# Altium PCB PROC054D_MMWCAS_RF_EVM_ASCII.PcbDoc (part 5 of 13)
Units mil, origin at the board's own origin, x right, y up, seen from the top; angles counter-clockwise.
Board outline 6299.21 x 5370.07 mil, 8 copper layers (L1 TOP, L2 GND, L3 SIGNAL 1, L4 GND, L5 SIGNAL 2, L6 SIGNAL 3, L7 GND, L8 BOTTOM), stack 53.5 mil thick; 775 components, 552 nets, 2648 pads, 7845 vias.
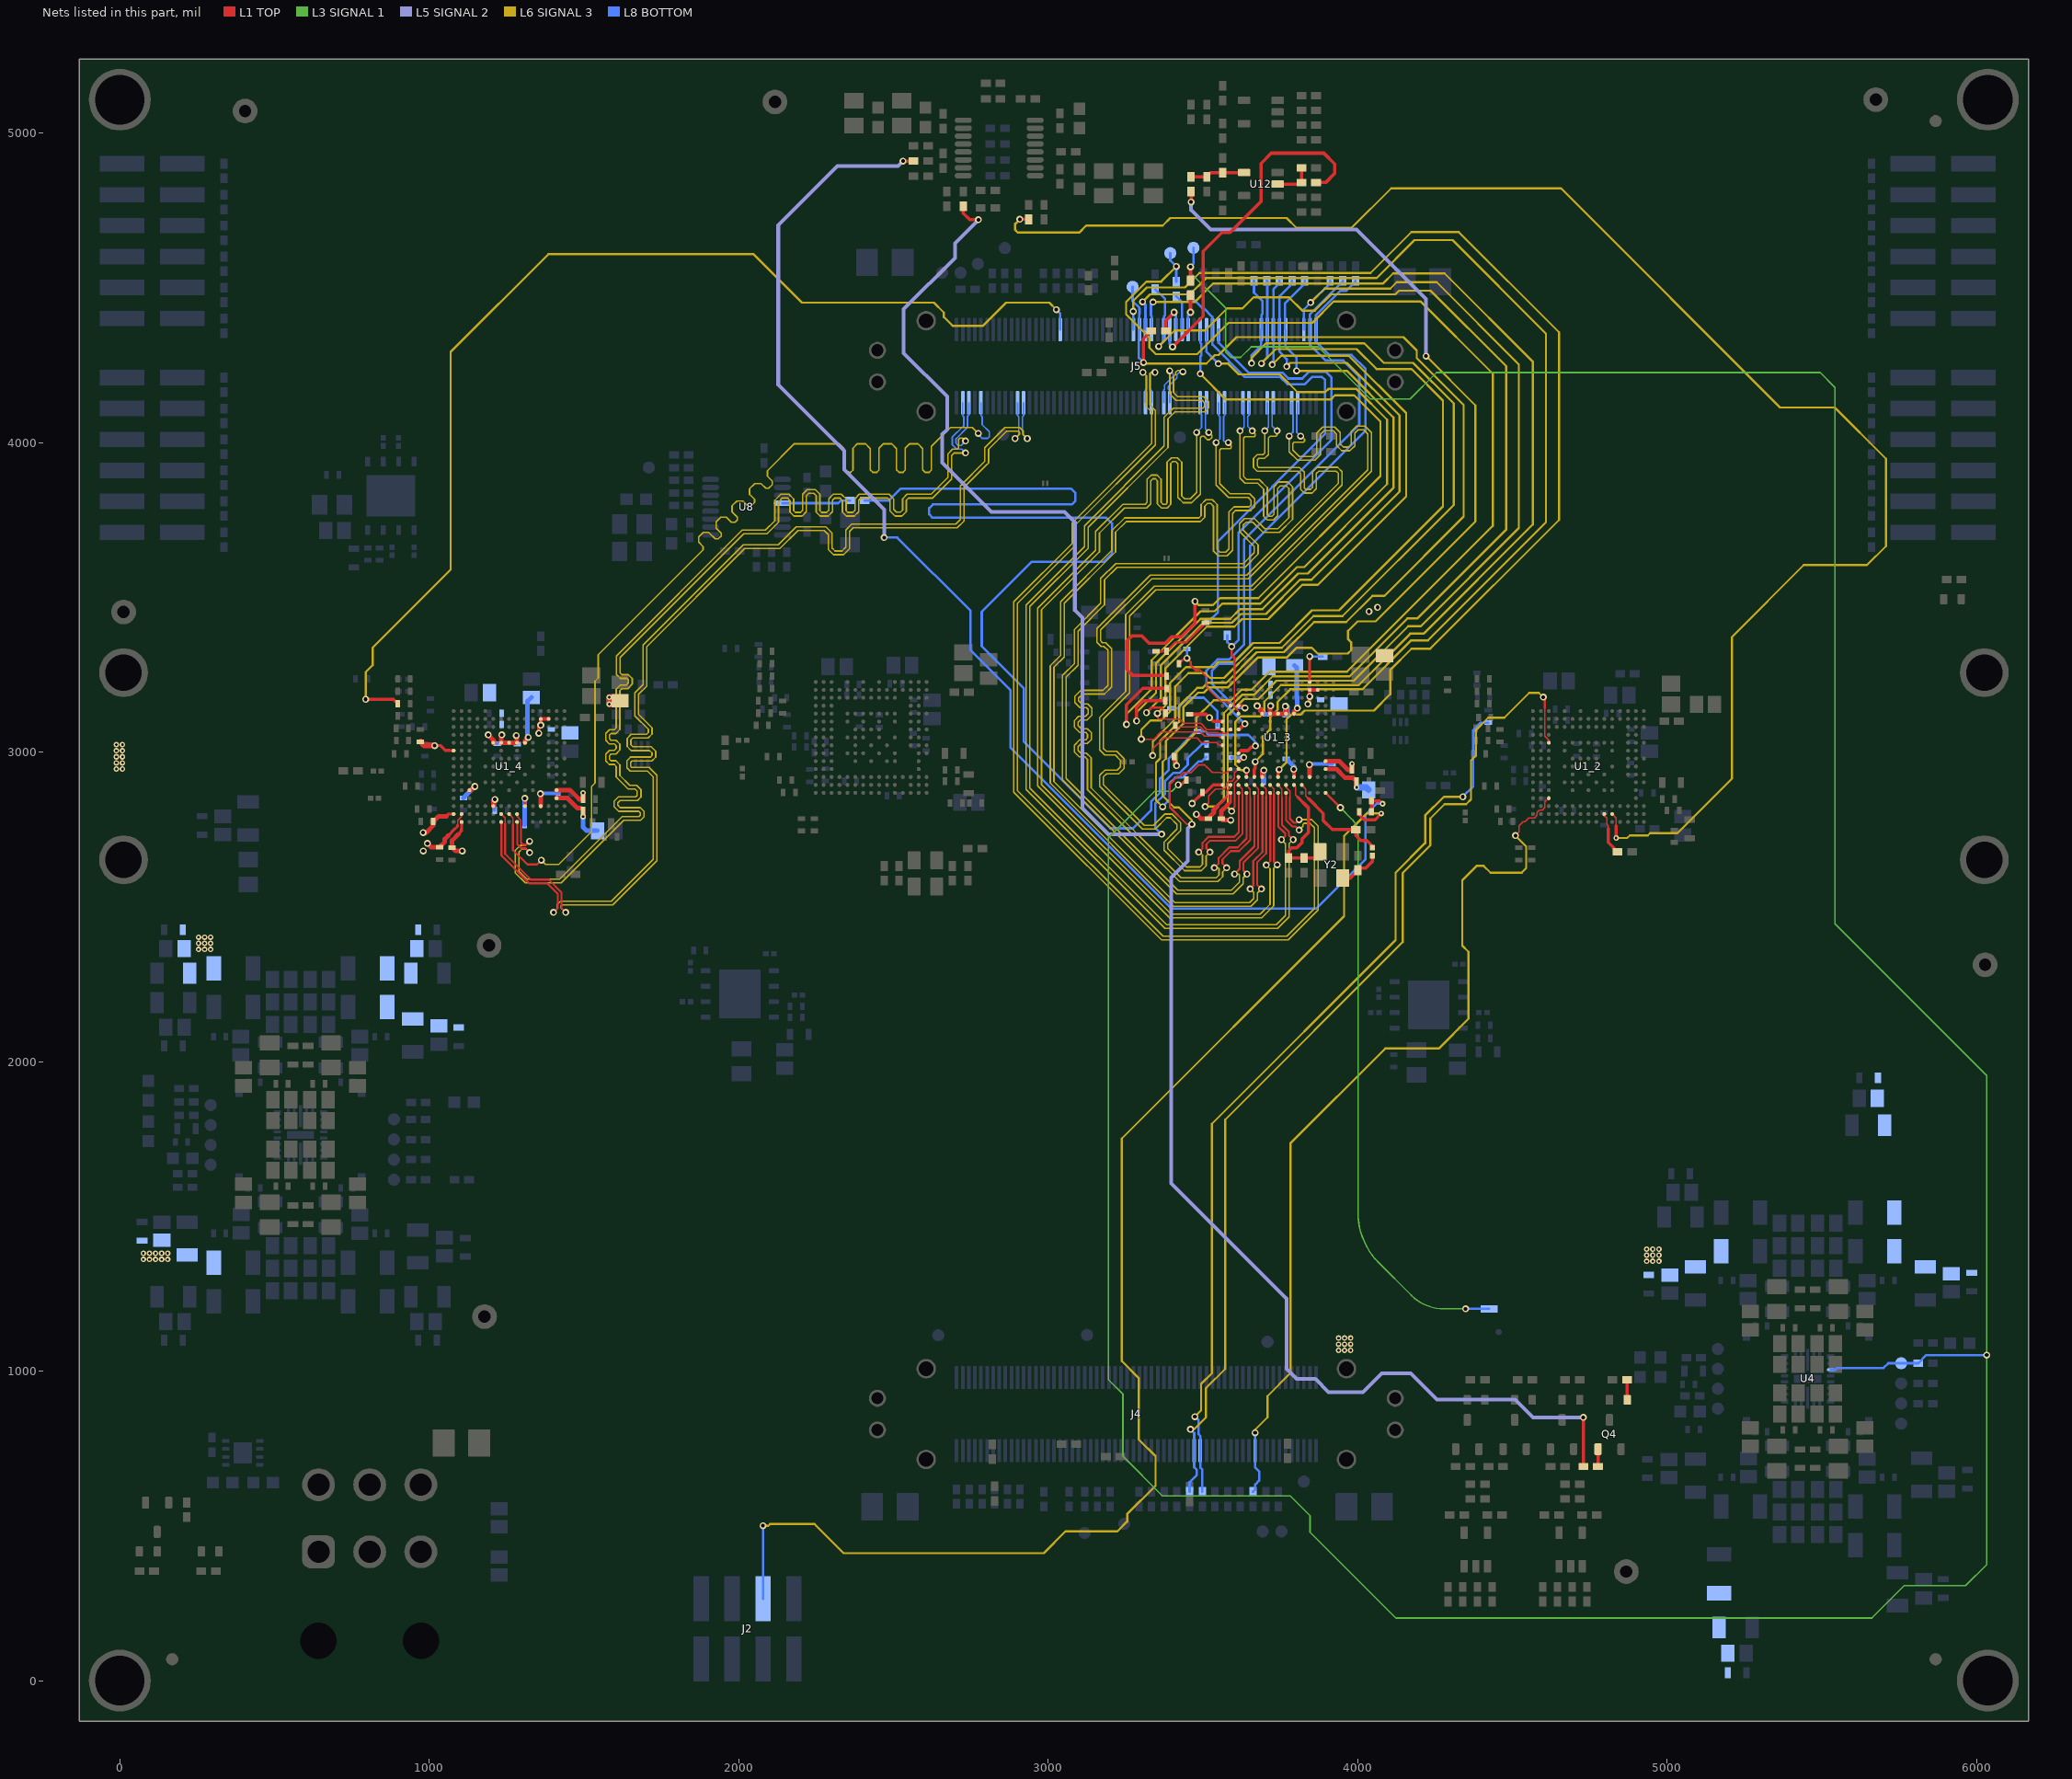
[diagram p11: the nets of this part, all layers, seen from the top]

## Via types
v1: diameter 15.74, hole 5.9, L1 TOP to L2 GND, tented both sides, 5522 vias
v2: diameter 22.4, hole 12.2, L1 TOP to L8 BOTTOM, tented both sides, 1522 vias
v3: diameter 18, hole 8, L1 TOP to L8 BOTTOM, tented both sides, 727 vias
v4: diameter 18, hole 7.87, L1 TOP to L8 BOTTOM, tented top, 50 vias
v5: diameter 24, hole 12, L1 TOP to L8 BOTTOM, tented both sides, 13 vias
v6: diameter 19.68, hole 7.87, L1 TOP to L8 BOTTOM, tented top, 10 vias
v7: diameter 15.74, hole 5.9, L1 TOP to L2 GND, tented top, 1 vias

## Nets (pads, with @x,y where several pads share a name; then routed paths per layer and width w, separated by ;. In a path a pad name is that pad's centre, name@x,y a point inside that pad or via, vN(x,y) a via of type N, cw(c..) or ccw(c..) an arc to the next point about the centre after c; other vN are vias at no path point) (continued)
AWR_2_UART_RX: J4.100 R179_2.1 U1_2.N5 | length 3336.1
  L1 TOP w4: 4605,3142.12 4605,3051 4606,3050 4606,3049.9 4617.94,3037.96 U1_2.N5@4617.94,3030.27
  L1 TOP w8: v2(4600,3177.36) 4605,3172.36 4605,3142.12
  L6 SIGNAL 3 w6.9: v2(3460,812) 3472,812 3509.9,849.9 3509.9,945.07 3571.9,1007.07 3571.9,1812.47 4145.41,2385.97 4145.41,2608.91 4235.1,2698.6 4235.1,2785.63 4280.89,2831.42 4350.77,2831.42 4366.51,2847.16 4366.51,2972.86 4381.71,2988.06 4381.71,3070.64 4422.44,3111.36 4474.45,3111.36 4554.59,3191.51 4585.85,3191.51 v2(4600,3177.36)
  L8 BOTTOM w7.75: R179_2.1@3457,610.42 3457,641.1 3479.46,663.56 3479.46,681.54 3471.93,689.07 3471.93,800.07 v2(3460,812)
AWR_2_UART_TX: J4.101 R11_2.1 R178_2.1 | length 2937.4
  L6 SIGNAL 3 w6.9: v2(3474,853) 3494.15,873.15 3494.15,958.34 3528.87,993.06 3528.87,1798.87 4122.88,2392.87 4122.88,2610.47 4218.18,2705.77 4218.18,2795.22 4278.49,2855.54 v2(4339.79,2855.54)
  L8 BOTTOM w7.75: v2(3474,853) 3486,841 3486,796 3491.61,790.39 3491.61,688.74 3498,682.35 R178_2.1@3498,610.42 ; v2(4339.79,2855.54) 4373.35,2889.1 4373.35,3070.72 4397.63,3095 R11_2.1@4422.06,3095
AWR_2_WARM_RST: J4.110 R174_2.1 U1_2.N12 | length 2930.5
  L1 TOP w4: v2(4510,2730) 4522,2742 4522,2762 4535,2775 4541,2775 4553.46,2787.46 4571.94,2787.46 4579.85,2795.37 4579.85,2805.14 4587.17,2812.46 4596.94,2812.46 4605.44,2820.96 4605.44,2838.64 U1_2.N12@4617.94,2851.13
  L6 SIGNAL 3 w6.9: v2(3668.78,801) 3668.78,810.73 3708.84,850.79 3708.84,919.47 3782.81,993.44 3782.81,1736.06 4088.99,2042.24 4262.01,2042.24 4358.04,2138.27 4358.04,2354.55 4338.18,2374.4 4338.18,2586.12 4384.3,2632.24 4407.51,2632.24 4429.42,2610.34 4530.22,2610.34 4544.96,2625.08 4544.96,2695.04 v2(4510,2730)
  L8 BOTTOM w7.75: R174_2.1@3662,610.42 3668.78,617.2 3668.78,633.76 3681.55,646.53 3681.55,675.72 3668.78,688.49 v2(3668.78,801)
AWR_2_XTAL_CLKM: R129.2 U1_2.F14 | length 139.7
  L1 TOP w4: U1_2.F14@4797.07,2799.95 4797.07,2794.92 4805,2786.99 4805,2767.1 4809.68,2762.42 4809.68,2752.33
  L1 TOP w10.5: 4809.68,2752.33 4809.68,2708.42 R129.2@4840.01,2678.08
AWR_2_XTAL_CLKP: R104.2 U1_2.E14 | length 5230.2
  L1 TOP w4: U1_2.E14@4822.67,2799.95 4835.37,2787.25 4835.37,2762.23
  L1 TOP w10.5: v2(2908.09,4721.32) R104.2@2936.49,4721.32 ; v3(4835.37,2722.31) 4835.37,2762.23
  L6 SIGNAL 3 w6.9: v2(2908.09,4721.32) 2893.5,4706.73 2893.5,4686.9 2901.88,4678.51 3100.48,4678.51 3122.83,4700.86 3369.77,4700.86 3394.77,4725.86 3770.26,4725.86 3802.31,4693.81 3980.44,4693.81 4108.32,4821.69 4657.41,4821.69 5365.44,4113.65 5541.51,4113.65 5707.57,3947.59 5707.57,3665.65 5646.12,3604.2 5441.75,3604.2 5209.7,3372.15 5209.7,2914.51 5033.49,2738.29 4945.21,2738.29 4937.88,2730.96 4879.58,2730.96 4870.93,2722.31 v3(4835.37,2722.31)
AWR_3_1V0_RF1_FILT: C87.1 C88.1 C91.1 C136_3.1 C137_3.1 C138_3.1 C139_3.1 L23.2 U1_3.G5 U1_3.H5 U1_3.J5 | length 127.1
  L1 TOP w15: v2(3719.09,3149.57) 3717.3,3147.78 U1_3.J5@3717.3,3124.27 U1_3.G5@3768.48,3124.27 3768.48,3140.51 3766.34,3142.65 v2(3766.34,3147.83)
  L8 BOTTOM w22: v2(3766.34,3147.83) 3769.38,3144.79 C136_3.1@3769.38,3123.65
AWR_3_1V0_RF2_FILT: C93.1 C140_3.1 C141_3.1 C204.1 C207.1 L24.2 R188_3.2 U1_3.C2 U1_3.D2 | length 74.2
  L1 TOP w12: v2(3839,3155) 3845.25,3161.25 U1_3.D2@3845.26,3201.04 U1_3.C2@3870.85,3201.04
  other v2: 3845.24,3179.65 4037.03,3454.24 4064.35,3467.78
AWR_3_1V2_FILT: C142_3.1 C143_3.1 C144_3.1 C145_3.1 C146_3.1 C147_3.1 C154.1 C155.1 C156.1 L19.2 U1_3.F13 U1_3.N11 U1_3.P14 U1_3.P15 U1_3.R6 U1_3.R14 | length 678.8
  L1 TOP w4: 3576.5,2857.69 3576.5,2873.5 3589.35,2886.35 U1_3.P14@3589.35,2893.95
  L1 TOP w8: 3568.43,2846.28 3576.5,2854.35 3576.5,2857.69 ; 3589.35,2845.01 U1_3.P15@3589.35,2868.36
  L1 TOP w10: v2(3465,2834) 3498.58,2867.58 C146_3.1@3498.58,2870 3509.97,2870 3533.93,2893.96 U1_3.R14@3563.76,2893.95 ; v2(3521.08,3111.07) 3533.48,3098.68 U1_3.R6@3563.76,3098.68 ; 3545.75,2823.6 3568.43,2846.28 ; 3579.25,2828.86 3589.35,2838.95 3589.35,2845.01 ; U1_3.N11@3614.94,2970.72 3620.02,2970.73 v2(3632.19,2982.9)
  L1 TOP w12: C142_3.1@3457.49,3122.71 3509.45,3122.71 v2(3521.08,3111.07) ; v2(3793.51,2944.72) 3793.51,2937.18 3794.07,2936.62 U1_3.F13@3794.07,2919.55
  L1 TOP w15: v2(3479,2798.99) 3492.42,2785.57 C147_3.1@3518,2785.58 ; C147_3.1@3518,2787 3535,2804 3535,2812.85 3545.75,2823.6 ; 3579.25,2828.86 3559,2808.6 C143_3.1@3559,2785.58 3564.59,2779.99 v2(3590,2779.99)
  L8 BOTTOM w12: C145_3.1@3595.75,2982.9 v2(3632.19,2982.9)
  L8 BOTTOM w15: C144_3.1@3769.06,2978.27 3793.51,2953.82 v2(3793.51,2944.72)
  other v3: 3938.25,1067.33 3957.94,1067.33 3977.62,1067.33 3938.25,1087.02 3957.94,1087.02 3977.62,1087.02 3938.25,1106.7 3957.94,1106.7 3977.62,1106.7
AWR_3_1V8_FILT: C128_3.1 C129_3.1 C130_3.1 C131_3.1 C132_3.1 C133_3.1 C134_3.1 C135_3.1 C158.1 C159.1 C160.1 L22.2 U1_3.B11 U1_3.B12 U1_3.D13 U1_3.F5 U1_3.K5 U1_3.K13 | length 707.4
  L1 TOP w12: U1_3.B12@3896.44,2945.13 3905.67,2945.13
  L1 TOP w15: v2(3675.39,3149.45) 3686.19,3138.65 3686.19,3132.45 3691.71,3126.93 U1_3.K5@3691.71,3124.27 ; U1_3.K13@3691.71,2919.55 3691.71,2935.82 v2(3697.03,2941.14) ; U1_3.F5@3794.07,3124.27 3794.07,3130.78 v2(3804.99,3141.7) ; v2(3844,2959.6) 3845.25,2958.35 U1_3.D13@3845.25,2919.55 ; U1_3.B11@3896.44,2970.72 3940.64,2970.72 3969.35,2942.02 C132_3.1@3981.84,2942.02 v3(3981.84,2962.39) ; 3905.67,2945.13 3931.49,2945.13 3959.9,2916.72 3986.18,2916.72 C131_3.1@3996.84,2906.06 v3(3996.84,2885.69)
  L8 BOTTOM w12: v2(3844,2959.6) 3846.4,2962 C134_3.1@3918.09,2962
  L8 BOTTOM w15: v2(3675.39,3149.45) 3703.15,3121.69 C128_3.1@3704.89,3121.69 ; C135_3.1@3696.3,2906 3696.3,2940.41 v2(3697.03,2941.14) ; C130_3.1@3796.42,3279.39 3802.72,3273.09 C129_3.1@3802.72,3216.01 3802.72,3182.09 3804.99,3179.82 v2(3804.99,3141.7)
  L8 BOTTOM w20: v3(3996.84,2885.69) 4028.07,2885.69 C133_3.1@4035.5,2878.26
  other v3: 4934.19,1354.8 4953.87,1354.8 4973.56,1354.8 4934.19,1374.48 4953.87,1374.48 4973.56,1374.48 4934.19,1394.17 4953.87,1394.17 4973.56,1394.17
AWR_3_BSS_LOGGER: J5.41 R14_3.1 | length 2321.9
  L1 TOP w10.5: R14_3.1@3385.09,3246 3382.69,3248.4 3272.6,3248.4 3254,3267 3254,3358.89 3270.08,3374.97 3303.03,3374.97 3326.71,3351.29 3377.1,3351.29 3398.81,3373 3430,3373 3474.73,3417.73 v2(3474.73,3487.05)
  L6 SIGNAL 3 w6.9: v2(3474.73,3487.05) 3487.02,3474.76 3532.33,3474.76 3555.14,3497.57 3679.24,3497.57 4073.72,3892.06 4073.72,4068.11 3988.9,4152.93 3926.62,4152.93 3912.78,4139.09 3574.52,4139.09 v2(3491.61,4222)
  L8 BOTTOM w7.75: v2(3491.61,4222) 3491.61,4278.61 3495,4282 3495,4319 3491.61,4322.39 J5.41@3491.61,4365.06
AWR_3_CSI2_CLK_N: J5.101 U1_3.J14 | length 3367.5
  L1 TOP w4: U1_3.J14@3717.3,2893.95 3729.89,2881.36 3729.89,2862.67
  L1 TOP w6.5: 3729.89,2862.67 3729.89,2646.1 v2(3740,2635.99)
  L6 SIGNAL 3 w5: v2(3479.61,4033) 3479.61,3838.77 3458.84,3818 3440.98,3818 3431.49,3827.49 3431.49,3936.59 3417.53,3950.56 3397.89,3950.56 3384.24,3936.91 3384.24,3805.24 3380,3801 3371.21,3801 3364.99,3807.22 3364.99,3881.76 3351.75,3895 3332.98,3895 3319.74,3881.76 3319.74,3807.21 3313.53,3801 3241.63,3801 3153.51,3712.88 3153.51,3652.05 2966.23,3464.78 2966.23,2891.06 3392.4,2464.89 3690.12,2464.89 3729,2503.77 3729,2624.99 ; 3729,2625 v2(3740,2635.99) 3729,2624.99
  L8 BOTTOM w5.25: v2(3479.61,4033) 3496,4049.39 3496,4090.01 3491.61,4094.4 J5.101@3491.61,4128.84
AWR_3_CSI2_CLK_P: J5.102 U1_3.J15 | length 3330.6
  L1 TOP w6.5: v2(3705,2634.99) 3717.89,2647.88 3717.89,2867.77 U1_3.J15@3717.3,2868.36
  L6 SIGNAL 3 w5: v2(3519,4033) 3528.89,4023.11 3528.89,4016.33 3521.8,4009.24 3514.43,4009.24 3503.47,4020.2 3496.02,4020.2 3491.61,4015.79 3491.61,3833.8 3463.81,3806 3436.01,3806 3419.49,3822.52 3419.49,3931.62 3412.56,3938.56 3402.86,3938.56 3396.24,3931.94 3396.24,3800.27 3384.97,3789 3366.24,3789 3352.99,3802.25 3352.99,3876.79 3346.78,3883 3337.95,3883 3331.74,3876.79 3331.74,3802.24 3318.5,3789 3246.6,3789 3165.51,3707.91 3165.51,3647.08 2978.23,3459.81 2978.23,2896.03 3397.38,2476.89 3685.15,2476.89 3717,2508.74 3717,2623 v2(3705,2634.99)
  L8 BOTTOM w5.25: J5.102@3511.3,4128.84 3511.3,4094.3 3508,4091 3508,4044 v2(3519,4033)
AWR_3_CSI2_TX0_N: J5.92 U1_3.G14 | length 3373.1
  L1 TOP w4: U1_3.G14@3768.48,2893.95 3768.48,2886.51 3781.07,2873.92 3781.07,2853.99
  L1 TOP w6.5: 3781.07,2853.99 3781.07,2784.92 3794.35,2771.64 3800.85,2771.64 v2(3811,2781.79)
  L6 SIGNAL 3 w5: v2(3306,4227) 3317.21,4215.79 3317.21,4116.44 3334.53,4099.11 3334.53,3997.27 3078,3740.74 3078,3674.44 2888.71,3485.15 2888.71,2870.62 3366.21,2393.11 3775.75,2393.11 3872.33,2489.69 3872.33,2760.91 3851.44,2781.8 v2(3811,2781.79)
  L8 BOTTOM w5.25: v2(3306,4227) 3317,4216 3317,4172.22 3314.45,4169.67 J5.92@3314.45,4128.84
AWR_3_CSI2_TX0_P: J5.93 U1_3.G15 | length 3336.4
  L1 TOP w6.5: U1_3.G15@3768.48,2868.36 3769.07,2867.77 3769.07,2779.94 3789.37,2759.64 3799.35,2759.64 v2(3811,2747.99)
  L6 SIGNAL 3 w5: v2(3345.39,4227) 3332.54,4227 3329.21,4223.66 3329.21,4121.41 3346.53,4104.09 3346.53,3992.3 3090,3735.77 3090,3669.47 2900.71,3480.18 2900.71,2875.59 3371.18,2405.11 3770.78,2405.11 3860.33,2494.66 3860.33,2755.94 3846.47,2769.8 3826.79,2769.8 3823.26,2766.27 3823.26,2760.26 v2(3811,2747.99)
  L8 BOTTOM w5.25: J5.93@3334.13,4128.84 3334.13,4168.26 3329,4173.39 3329,4223.46 3332.54,4227 v2(3345.39,4227)
AWR_3_CSI2_TX1_N: J5.95 U1_3.H14 | length 3368.1
  L1 TOP w4: U1_3.H14@3742.89,2893.95 3755.48,2881.36 3755.48,2853.99
  L1 TOP w6.5: 3755.48,2853.99 3755.48,2764.73 3778.01,2742.21 3778.01,2730.67 v2(3791.4,2717.28)
  L6 SIGNAL 3 w5: v2(3393,4232) 3393,4157 3413.53,4136.47 3497.61,4136.47 3505.69,4128.38 3505.69,4116.9 3500.28,4111.49 3404.37,4111.49 3374.97,4082.09 3374.97,3989.13 3117,3731.16 3117,3663.88 2928.7,3475.59 2928.7,2879.14 3377.74,2430.1 3741.81,2430.1 3779,2467.28 3779,2704.87 v2(3791.4,2717.28)
  L8 BOTTOM w5.25: J5.95@3373.5,4128.84 3373.51,4169.81 3376.06,4172.36 3376.06,4186.23 3404.26,4214.43 3404.26,4220.74 v2(3393,4232)
AWR_3_CSI2_TX1_P: J5.96 U1_3.H15 | length 3328.5
  L1 TOP w6.5: U1_3.H15@3742.89,2868.36 3743.48,2867.77 3743.48,2759.75 3766,2737.23 3766,2730.67 ; v2(3754,2717.28) 3766,2729.28
  L6 SIGNAL 3 w5: v2(3435.39,4229) 3431.16,4233.22 3418.37,4233.22 3412.05,4226.9 3412.05,4220.03 3405,4212.98 3405,4161.97 3418.5,4148.47 3502.58,4148.47 3517.69,4133.36 3517.69,4111.93 3505.25,4099.49 3409.34,4099.49 3386.97,4077.12 3386.97,3984.16 3129,3726.19 3129,3658.91 2940.7,3470.62 2940.7,2884.11 3382.71,2442.1 3736.84,2442.1 3767,2472.25 3767,2704.28 v2(3754,2717.28)
  L8 BOTTOM w5.25: J5.96@3393.19,4128.84 3393.19,4167.6 3388.06,4172.73 3388.06,4181.26 3416.26,4209.46 3416.26,4219.35 3425.91,4229 v2(3435.39,4229)
AWR_3_CSI2_TX2_N: J5.104 U1_3.K14 | length 3362.1
  L1 TOP w4: U1_3.K14@3691.71,2893.95 3704.3,2881.36 3704.3,2857.99
  L1 TOP w6.5: v2(3688.96,2557.99) 3675,2571.95 3675,2642.99 3704.3,2672.29 3704.3,2857.99
  L6 SIGNAL 3 w5: v2(3542.61,4000) 3542.61,3862.76 3582.75,3822.62 3646.18,3822.62 3655.4,3813.41 3655.4,3798.04 3649.73,3792.37 3600.36,3792.37 3584,3776.01 3584,3656.87 3573.52,3646.4 3555.18,3646.4 3546,3655.57 3546,3799.96 3530.26,3815.7 3510.15,3815.7 3494.1,3799.65 3494.1,3764.08 3487.02,3757 3247.25,3757 3205.83,3715.57 3205.83,3651.69 3039.78,3485.65 3039.78,3312.51 3006.51,3279.24 3006.51,2899.91 3404.5,2501.91 3655.84,2501.91 3676.34,2522.42 3676.34,2545.38 v2(3688.96,2557.99)
  L8 BOTTOM w5.25: v2(3542.61,4000) 3555,4012.39 3555,4083.99 3550.67,4088.32 J5.104@3550.67,4128.84
AWR_3_CSI2_TX2_P: J5.105 U1_3.K15 | length 3332.1
  L1 TOP w6.5: v2(3652.56,2557.99) 3663,2568.43 3663,2647.97 3692.3,2677.27 3692.3,2867.77 U1_3.K15@3691.71,2868.36
  L6 SIGNAL 3 w5: v2(3582,4000) 3591.34,3990.66 3591.34,3984.02 3588.02,3980.7 3559.16,3980.7 3554.61,3976.15 3554.61,3867.73 3587.72,3834.62 3651.15,3834.62 3667.4,3818.38 3667.4,3793.07 3654.7,3780.37 3605.33,3780.37 3596,3771.04 3596,3651.9 3578.49,3634.4 3550.21,3634.4 3534,3650.6 3534,3794.99 3525.29,3803.7 3515.12,3803.7 3506.1,3794.68 3506.1,3759.11 3491.99,3745 3252.23,3745 3217.83,3710.59 3217.83,3646.71 3051.78,3480.67 3051.78,3307.54 3018.51,3274.27 3018.51,2904.88 3409.47,2513.91 3650.87,2513.91 3664.34,2527.39 3664.34,2546.22 v2(3652.56,2557.99)
  L8 BOTTOM w5.25: J5.105@3570.35,4128.84 3570.35,4087.34 3567,4083.99 3567,4005.57 3569.78,4002.79 3579.21,4002.79 v2(3582,4000)
AWR_3_CSI2_TX3_N: J5.108 U1_3.L14 | length 3356.6
  L1 TOP w4: U1_3.L14@3666.12,2893.95 3678.71,2881.36 3678.71,2859.99
  L1 TOP w6.5: v2(3642.4,2605.99) 3631,2617.39 3631,2642.99 3678.71,2690.7 3678.71,2859.99
  L6 SIGNAL 3 w5: v2(3620,4038) 3620,3885.7 3636.44,3869.27 3676.76,3869.27 3696.24,3849.79 3696.24,3762.06 3708.08,3750.22 3727.93,3750.22 3741.49,3763.78 3741.49,3852.07 3749.95,3860.52 3769.23,3860.52 3778,3851.76 3778,3757.52 3742.07,3721.6 3699.77,3721.6 3666.57,3754.8 3634.65,3754.8 3618.19,3738.35 3618.19,3712.47 3666.2,3664.46 3666.2,3644.66 3630.75,3609.21 3218.03,3609.21 3169.81,3560.99 3169.81,3481.08 3084.43,3395.7 3084.43,3285.75 3046.35,3247.68 3046.35,2910.31 3414.47,2542.18 3597.18,2542.18 3630,2575 3630,2593.6 v2(3642.4,2605.99)
  L8 BOTTOM w5.25: v2(3620,4038) 3621,4038 3633,4050 3633,4087 3629.41,4090.59 J5.108@3629.41,4128.84
AWR_3_CSI2_TX3_P: J5.109 U1_3.L15 | length 3334.2
  L1 TOP w6.5: v2(3602.2,2605.99) 3619,2622.79 3619,2647.97 3666.71,2695.68 3666.71,2867.77 U1_3.L15@3666.12,2868.36
  L6 SIGNAL 3 w5: v2(3602.2,2605.99) 3614.86,2606 3618,2602.86 3618,2579.98 3592.2,2554.18 3419.45,2554.18 3058.35,2915.29 3058.35,3242.71 3096.43,3280.78 3096.43,3390.73 3181.81,3476.11 3181.81,3556.02 3223,3597.21 3635.72,3597.21 3678.2,3639.69 3678.2,3669.44 3630.19,3717.44 3630.19,3733.38 3639.62,3742.8 3661.6,3742.8 3694.8,3709.6 3747.04,3709.6 3790,3752.55 3790,3856.73 3774.2,3872.52 3744.98,3872.52 3729.49,3857.04 3729.49,3768.75 3722.96,3762.22 3713.05,3762.22 3708.24,3767.03 3708.24,3854.76 3681.73,3881.27 3641.41,3881.27 3632,3890.68 3632,4014.25 3636.42,4018.67 3665.39,4018.67 3668.64,4021.92 3668.64,4028.75 v2(3659.39,4038)
  L8 BOTTOM w5.25: J5.109@3649.09,4128.84 3650,4127.93 3650,4089 3645,4084 3645,4052.39 v2(3659.39,4038)
AWR_3_DIG_SYNCIN: R134.2 R185_3.2 U1_3.N10 | length 4055.5
  L1 TOP w10.5: U1_3.N10@3614.94,2996.31 3623.48,3004.85 3644.69,3004.85 3655.16,3015.32 3664.77,3015.32 v2(3669.59,3020.14)
  L8 BOTTOM w7.75: R134.2@2406.54,3813.05 2485.5,3813.05 2523.92,3851.47 3073.92,3851.47 3087.39,3837.99 3087.39,3810.8 3076.84,3800.24 2627.43,3800.24 2615.41,3788.22 2615.41,3768.72 2626.89,3757.25 3187.8,3757.25 3206.05,3738.99 3206.05,3641.46 3179.08,3614.49 2946.04,3614.49 2785.15,3453.59 2785.15,3342.4 2920.89,3206.66 2920.89,3034.08 3201.19,2753.78 3274.73,2753.78 3332.87,2811.91 3332.87,2840.39 3361.14,2868.66 3361.14,2914.18 3389.62,2942.67 3389.62,2979.17 3476.99,3066.54 R185_3.2@3482.96,3066.54 3507.45,3066.54 3518.63,3055.36 3646.87,3055.36 3669.59,3032.65 v2(3669.59,3020.14)
AWR_3_DIG_SYNCIN_RS: R134.1 U8.12 | length 221.8
  L8 BOTTOM w7.75: U8.12@2141.18,3804.18 2321.49,3804.18 2330.36,3813.05 R134.1@2359.3,3813.05
AWR_3_DIG_SYNCOUT: R1_3.1 R157.1 TP1_3.1 | length 3695.6
  L1 TOP w10.5: R1_3.1@3406.9,2985 3406.9,2964.1 v2(3415,2956)
  L6 SIGNAL 3 w6.9: v2(3414,4569.13) 3365.18,4520.31 3317.76,4520.31 3251.71,4454.26 3251.71,4414.13 3326.89,4338.95 3326.89,4306.54 3347.77,4285.66 3481.8,4285.66 3582.85,4386.71 3853.45,4386.71 3923.02,4456.27 4203.36,4456.27 4437.13,4222.49 4437.13,3731.13 3965.58,3259.58 3715.28,3259.58 3657.01,3201.31 3624.36,3201.31 3590.29,3167.23 3535.06,3167.23 3478.11,3110.28 3478.11,3063.91 3415,3000.8 v2(3415,2956)
  L8 BOTTOM w7.75: TP1_3.1@3394.61,4611.81 3394.61,4588.52 v2(3414,4569.13) R157.1@3414,4519.67
AWR_3_FMCW_CLKOUT: J3.1 U1_3.B15 | length 1988.6
  L1 TOP w8.4: U1_3.B15@3896.44,2868.36 v5(3943.9,2820.9)
  L3 SIGNAL 1 w5: v5@3944.09,2820.9 v5(3943.9,2820.9) 3983.22,2781.58 cw(c3939.64,2737.99) 4001.28,2737.99 4001.28,1512.06 ccw(c4230.17,1512.06) 4068.32,1350.21 4173.32,1245.21 ccw(c4279.63,1351.52) 4279.63,1201.17 v2(4349.11,1201.17)
  L8 BOTTOM w7.75: v2(4349.11,1201.17) J3.1@4424.63,1201.17
AWR_3_FMCW_SYNCOUT: R83.1 U1_3.D1 | length 123.8
  L1 TOP w8.4: U1_3.D1@3845.26,3226.63 v2(3845.26,3309)
  L8 BOTTOM w7.75: v2@3845.26,3308.75 R83.1@3886.65,3308.75
AWR_3_GPIO_0: J5.60 R16_3.2 U1_3.N4 | length 1868.9
  L1 TOP w10.5: U1_3.N4@3614.94,3149.86 3628.82,3149.86 v2(3635.99,3142.69)
  L8 BOTTOM w7.75: v2(3635.99,3142.69) 3607.02,3142.69 3528.56,3221.15 3528.56,3261.66 3552.6,3285.7 3596.09,3285.7 3652.58,3342.19 3652.58,3666.6 4025.73,4039.75 4025.73,4237.57 3980.56,4282.74 3909.26,4282.74 3865.63,4326.37 J5.60@3865.63,4365.06 3865.63,4411.67 3944.88,4490.92 3963.46,4490.92 3993,4520.45 R16_3.2@3993,4523
AWR_3_GPIO_1: J5.59 R17_3.2 U1_3.N7 | length 1880.7
  L1 TOP w10.5: U1_3.N7@3614.94,3073.09 3617.38,3073.09 v2(3635.69,3091.4)
  L8 BOTTOM w7.75: v2(3635.69,3091.4) 3511.59,3215.5 3511.59,3263.43 3547.54,3299.38 3584.57,3299.38 3633.58,3348.39 3633.58,3686.92 4005.42,4058.76 4005.42,4213.12 3953.16,4265.37 3896.63,4265.37 3846,4316 3846,4365 J5.59@3845.94,4365.06 3845.94,4414.41 3952,4520.46 R17_3.2@3952,4523
AWR_3_GPIO_2: J5.58 R18_3.2 U1_3.N13 | length 3153.9
  L1 TOP w4: 3602.44,2863 3602.44,2900.5 3614.94,2913 U1_3.N13@3614.94,2919.55
  L1 TOP w6: v2@3593,2816 3596.44,2816 3602.44,2822 3602.44,2863
  L6 SIGNAL 3 w6.9: v2(3593,2809) 3580.14,2821.86 3580.14,3119.16 3632.51,3171.53 3678.83,3171.53 3738.08,3230.78 3987.64,3230.78 4163.73,3406.87 4204.28,3406.87 4521.16,3723.75 4521.16,4252.6 4255.68,4518.08 4126.56,4518.08 4105.91,4497.43 3893.06,4497.43 v2(3847.92,4452.29)
  L8 BOTTOM w7.75: J5.58@3826.26,4365.06 3826.26,4430.63 v2(3847.92,4452.29) 3911,4515.37 R18_3.2@3911,4523
AWR_3_LVDS_FRCLK_N: J5.112 U1_3.M14 | length 3354.6
  L1 TOP w4: U1_3.M14@3640.53,2893.95 3653.12,2881.36 3653.12,2852.99
  L1 TOP w6.5: v2(3576.62,2625.99) 3563,2639.61 3563,2652.99 3590,2679.99 3616.98,2679.99 3653.12,2716.13 3653.12,2852.99
  L6 SIGNAL 3 w5: v2(3576.62,2625.99) 3564,2613.38 3564,2597.91 3548.09,2582 3424.15,2582 3126.83,2879.32 3126.83,2976.49 3118.69,2984.63 3100.19,2984.63 3084.48,3000.33 3084.48,3022.25 3102.04,3039.8 3121.46,3039.8 3127.24,3045.58 3127.24,3057.8 3121.39,3063.65 3101.62,3063.65 3084.41,3080.86 3084.41,3101.64 3098.22,3115.45 3120.39,3115.45 3129.17,3124.23 3129.17,3137.79 3123.08,3143.87 3103.02,3143.87 3086.27,3160.62 3086.27,3180.24 3105.69,3199.66 3177.28,3199.66 3192.82,3215.2 3192.82,3329.22 3180.33,3341.71 3170.85,3341.71 3157.54,3355.02 3157.54,3399.51 3330.26,3572.22 3641.75,3572.22 3937.63,3868.1 3937.63,3901.11 3930.71,3908.03 3874.4,3908.03 3866.56,3900.18 3866.56,3850.66 3852.9,3837 3827.45,3837 3815.45,3849 3815.45,3899.43 3807.18,3907.7 3675.66,3907.7 3663.72,3919.64 3663.72,3949.33 3675.36,3960.97 3694.45,3960.97 3700,3966.52 v2(3700,4038)
  L8 BOTTOM w5.25: v2(3700,4038) 3712,4050 3712,4089.7 3708.15,4093.55 J5.112@3708.15,4128.84
AWR_3_LVDS_FRCLK_P: J5.113 U1_3.M15 | length 3316.7
  L1 TOP w6.5: v2(3537,2625.99) 3551,2639.99 3551,2657.97 3585.02,2691.99 3612,2691.99 3641.12,2721.11 3641.12,2867.77 U1_3.M15@3640.53,2868.36
  L6 SIGNAL 3 w5: v2(3537,2625.99) 3549.42,2626 3552,2623.42 3552,2602.89 3543.11,2594 3429.13,2594 3138.83,2884.29 3138.83,2981.46 3123.66,2996.63 3105.16,2996.63 3096.48,3005.31 3096.48,3017.27 3107.01,3027.8 3126.44,3027.8 3139.25,3040.61 3139.25,3062.77 3126.36,3075.66 3106.6,3075.66 3096.42,3085.83 3096.42,3096.67 3103.2,3103.44 3125.36,3103.44 3141.18,3119.26 3141.18,3142.76 3128.06,3155.88 3107.99,3155.88 3098.28,3165.59 3098.28,3175.27 3110.66,3187.65 3182.25,3187.65 3204.83,3210.22 3204.83,3334.2 3185.3,3353.72 3175.82,3353.72 3169.55,3359.99 3169.55,3394.53 3335.24,3560.22 3646.73,3560.22 3949.63,3863.12 3949.63,3906.08 3935.68,3920.03 3869.43,3920.03 3854.56,3905.16 3854.56,3855.63 3847.93,3849 3832.43,3849 3827.45,3853.98 3827.45,3904.41 3812.16,3919.7 3680.64,3919.7 3675.72,3924.62 3675.72,3944.36 3680.33,3948.97 3699.42,3948.97 3712,3961.55 3712,4015.34 3717.05,4020.4 3736.32,4020.4 3739.39,4023.46 v2(3739.39,4038)